# KiCad board CPU2908C.kicad_pcb (continued)
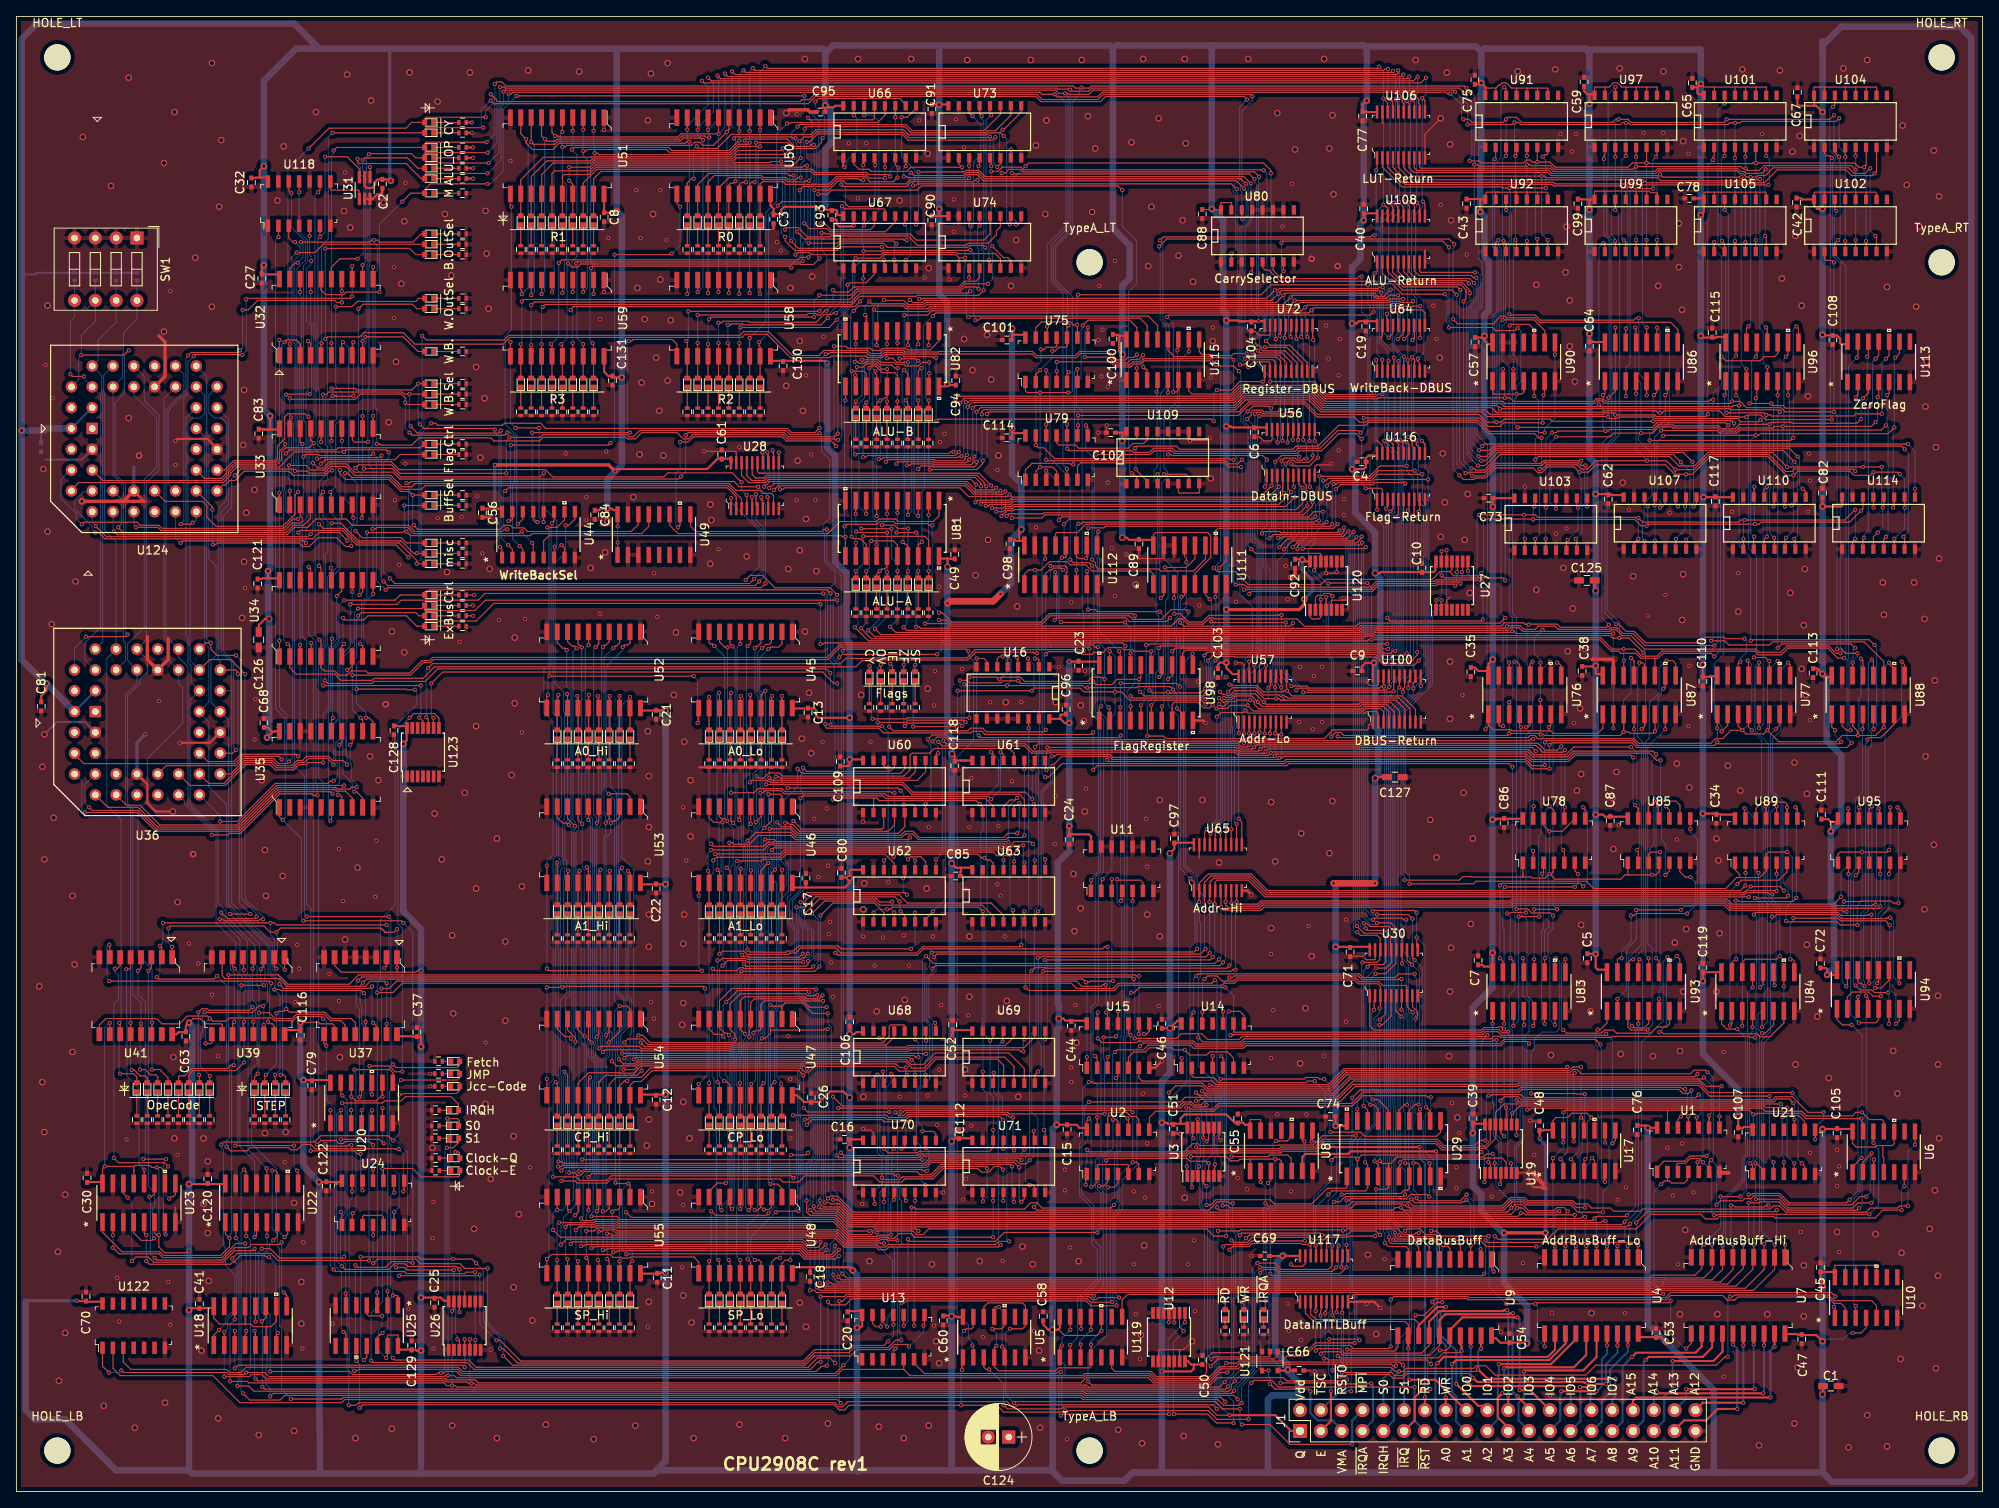
[diagram p0: board, top side]
## Routing (per net, layer and track width the routed paths; a pad name or vN(x,y) marks a point on that pad's centre or on a via; arc(x,y) is an arc through that point) (continued)
  Bottom w0.127: v1(212.08,101.78) 212.39,102.1 212.39,114.16 211.42,115.13 211.42,130.87 v1(211.17,131.12) ; v1(102.33,137.85) 102.46,137.98 v1(102.46,140.01) ; 213.97,101.33 v1(213.95,101.34) ; v1(107.57,137.1) 107.54,137.06 v1(107.54,133.02) 107.54,125.53 v1(107.41,125.4) ; v1(221.6,130.8) 221.6,131.15 221.41,131.34 221.41,162.56 v1(221.6,162.74) ; v1(116.73,132.23) 116.73,126.74 116.5,126.5 116.5,126.11 v1(116.31,125.93) ; v1(200.25,142.04) 200.63,141.66 v1(200.63,131.63)
/Executer/ALU_B4: length 213.5
  Top w0.127: 102.46,135.18 102.4,135.24 v1(102.4,136.2) ; v1(106.14,125.66) 106.4,125.91 112.06,125.91 112.19,125.79 115.65,125.79 115.8,125.93 115.8,126.26 v1(116.02,126.48) ; v1(180.89,152.71) 180.56,152.38 U92.2 ; D141.2 v1(106.27,133.02) ; v1(116.11,132.35) 116.66,132.9 148.65,132.9 149.72,133.97 158.07,133.97 159.53,132.52 180.71,132.52 v1(181.09,132.13) 209.16,132.13 209.29,132 214.99,132 v1(215.24,131.75) ; v1(106.27,136.96) 105.61,136.96 104.98,137.6 103.72,137.6 103.34,137.22 v1(102.59,137.22) ; v1(214.98,133.79) 214.98,135.06 ; v1(214.98,102.92) 215.49,103.43 223.95,103.43 v1(224.45,102.93) ; v1(223.89,92.89) 223.38,92.89 222.85,93.42 222.85,94.67
  Bottom w0.127: v1(102.4,136.2) 102.4,136.67 102.59,136.86 v1(102.59,137.22) ; v1(116.02,126.48) 116.11,126.58 v1(116.11,132.35) ; 215.24,131.63 214.98,131.37 v1(214.98,102.92) ; 215.24,131.63 215.24,132.13 214.98,132.39 v1(214.98,133.79) ; 215.24,131.63 v1(215.24,131.75) ; v1(180.89,152.71) 180.89,152.01 181.22,151.69 181.22,143.69 180.71,143.18 180.71,132.52 v1(181.09,132.13) ; v1(106.27,136.96) v1(106.27,133.02) 106.27,125.78 v1(106.14,125.66) ; v1(224.45,102.93) 224.2,102.68 224.2,101.86 223.7,101.36 223.7,93.43 223.89,93.25 v1(223.89,92.89)
/Executer/ALU_B5: length 203.8
  Top w0.127: v1(193.71,152.33) 193.9,152.14 U99.2 ; 105.38,133.15 v1(105.44,133.15) ; 105.38,133.15 105.63,133.15 105.95,133.46 106.2,133.46 106.27,133.53 106.27,134.55 ; 105.38,133.15 105,132.77 D142.2 ; v1(115.36,126.32) 115.01,126.32 114.85,126.17 105.79,126.17 105.61,125.98 v1(105.25,125.98) ; v1(211.69,103.81) 211.82,103.94 226.17,103.94 v1(226.81,103.31) ; v1(210.28,132.52) 209.54,132.52 209.41,132.39 193.4,132.39 v1(193.15,132.64) 192.9,132.39 181.59,132.39 181.22,132.77 159.63,132.77 158.17,134.23 149.62,134.23 148.54,133.15 116.45,133.15 116.23,132.94 v1(115.88,132.94) ; 226.66,94.42 226.67,94.41 v1(226.67,93.02) ; 209.9,134.93 v1(209.9,133.79)
  Bottom w0.127: v1(105.44,133.15) 105.44,126.17 v1(105.25,125.98) ; v1(226.67,93.02) 227.06,93.41 227.06,103.06 v1(226.81,103.31) ; v1(193.71,152.33) 193.15,151.77 v1(193.15,132.64) ; v1(211.69,103.81) 211.69,113.97 210.28,115.39 v1(210.28,132.52) 210.28,133.41 v1(209.9,133.79) ; v1(115.36,126.32) 115.36,126.48 115.63,126.75 115.63,132.69 v1(115.88,132.94)
/Executer/ALU_B6: length 206.4
  Top w0.127: v1(103.35,126.23) 103.7,126.23 103.89,126.42 114.59,126.42 v1(115.02,126.85) ; 224.12,98.99 224.14,99 v1(224.14,101.15) ; U96.15 v1(209.9,138.61) ; D143.2 v1(103.73,132.9) ; v1(115.16,132.84) 115.73,133.41 148.44,133.41 149.51,134.48 158.28,134.48 159.74,133.02 181.47,133.02 181.72,132.77 192.63,132.77 192.94,133.08 193.59,133.08 193.9,132.77 209.15,132.77 v1(209.41,133.02) 210.41,133.02 211.17,132.26 215.38,132.26 215.89,131.75 v1(221.85,131.75) ; v1(104.11,137.09) 104.36,137.34 104.88,137.34 105.69,136.52 107.22,136.52 107.54,136.2 107.54,135.69 ; 220.7,151.19 220.7,150.44 220.91,150.22 221.6,150.22 v1(221.85,149.97) ; v1(222.24,102.8) 222.76,102.8 223.27,102.29 v1(224.71,102.29)
  Bottom w0.127: v1(224.14,101.15) 224.14,101.37 224.71,101.94 v1(224.71,102.29) ; v1(115.02,126.85) 115.16,126.98 v1(115.16,132.84) ; v1(221.85,149.97) v1(221.85,131.75) 222.24,131.37 v1(222.24,102.8) ; v1(104.11,137.09) 104.11,133.28 v1(103.73,132.9) 103.35,132.52 v1(103.35,126.23) ; v1(209.9,138.61) 209.41,138.12 v1(209.41,133.02)
/Executer/ALU_B7: length 226.5
  Top w0.127: 227.94,98.99 227.94,101.29 225.54,103.69 214.35,103.69 213.97,103.31 209.01,103.31 208.5,103.81 v1(206.85,103.81) ; v1(114.65,133.28) 115.03,133.66 148.33,133.66 149.41,134.73 158.38,134.73 159.77,133.35 166.04,133.35 166.16,133.46 v1(181.66,133.46) 182.3,133.46 182.74,133.02 192.52,133.02 192.84,133.34 193.7,133.34 194.01,133.02 206.57,133.02 206.75,133.21 v1(207.11,133.21) ; 111.35,134.93 111.41,134.99 v1(111.41,136.45) ; v1(102.39,126.55) 102.52,126.67 113.84,126.67 114.04,126.88 v1(114.39,126.88) ; 207.23,151.44 v1(207.23,152.45) ; v1(208.14,138.49) 208.64,137.98 212.84,137.98 213.35,138.49 214.62,138.49 215,138.87 215,140.01 ; D144.2 v1(102.46,133.02) ; v1(111.41,137.79) 110.54,137.79 110.09,137.35 108.54,137.35 108.36,137.54 107.37,137.54 107.12,137.78 105.51,137.78 105.19,138.1 v1(103.24,138.1) ; v1(181.45,136.96) U90.2
  Bottom w0.127: v1(181.66,133.46) 181.66,135.21 181.45,135.42 v1(181.45,136.96) ; v1(102.39,126.55) 102.2,126.55 102.2,132.77 v1(102.46,133.02) 103.24,133.8 v1(103.24,138.1) ; v1(114.39,126.88) 114.65,127.13 v1(114.65,133.28) ; v1(206.85,103.81) 207.11,104.07 v1(207.11,133.21) 207.11,134.06 208.14,135.09 v1(208.14,138.49) 208.14,150.68 207.11,151.71 207.11,152.33 v1(207.23,152.45) ; v1(111.41,136.45) v1(111.41,137.79)
/Executer/ALU_CY0: length 164.5
  Top w0.127: 49.75,167.06 48.25,167.06 47.55,166.36 38.15,166.36 v1(35.67,163.88) ; U80.14 149.58,155.32 v1(149.65,155.25) ; v1(57.9,170.49) 58.78,169.6 95.65,169.6 95.88,169.84 96.77,169.84 97.42,170.49 124.56,170.49 125.19,169.85 132.03,169.85 132.66,170.48 150.61,170.48 v1(150.86,170.24) ; D1.2 49.84,167.51 50.02,167.69 v1(57.26,167.69) ; U32.2 v1(33.37,140.03)
  Bottom w0.127: v1(57.9,170.49) 57.9,170.38 58.34,169.94 58.34,169.52 57.26,168.44 v1(57.26,167.69) ; 149.58,155.25 v1(149.65,155.25) ; 149.58,155.25 149.58,155.12 ; 149.58,155.25 149.58,158.58 149.4,158.75 149.4,159.29 149.58,159.47 149.58,168.47 149.61,168.47 150.86,169.73 v1(150.86,170.24) ; v1(33.37,140.03) 33.37,140.51 33.13,140.74 33.13,161.34 v1(35.67,163.88)
/Executer/ALU_CY1: length 164.7
  Top w0.127: 49.88,165.92 49.88,166.3 50.01,166.43 v1(56.99,166.43) ; U80.2 v1(148.31,151.04) ; v1(150.23,169.85) 149.85,170.23 132.95,170.23 132.32,169.6 125.07,169.6 124.43,170.23 97.52,170.23 96.64,169.35 58.27,169.35 v1(57.9,169.73) ; 37.18,138.65 37.18,140.05 v1(37.25,140.12) ; v1(38.58,165.79) 49.75,165.79
  Bottom w0.127: v1(148.31,151.04) 148.83,151.57 148.83,158.29 148.52,158.6 148.52,159.25 149.32,160.06 149.32,168.95 v1(150.23,169.85) ; v1(37.25,140.12) 37.25,152 38.07,152.82 38.07,161.96 38.13,162.02 38.13,165.34 v1(38.58,165.79) ; v1(56.99,166.43) 56.74,166.67 56.74,168.57 v1(57.9,169.73)
/Executer/ALU_L0: length 71.1
  Top w0.127: 183.12,159.06 182.99,159.06 ; 183.12,159.06 v1(182.23,159.06) 181.47,159.06 181.34,159.19 169.15,159.19 166.73,161.6 U106.2 ; 183.12,159.06 v1(186.68,159.06) ; v1(198.03,143.18) 197.68,143.18 197.42,142.93 186.02,142.93 185.38,143.56 182.34,143.56 v1(182.23,143.67) ; v1(186.29,162.87) 186.54,163.12 186.8,163.12 186.93,163.25 186.93,164.01 ; 198.98,135.49 198.98,133.8 v1(199,133.79)
  Bottom w0.127: v1(199,133.79) 199,135.44 198.04,136.39 198.04,142.82 198.03,142.83 v1(198.03,143.18) ; v1(186.29,162.87) 186.68,162.49 v1(186.68,159.06) ; v1(182.23,143.67) 182.23,152.13 182.47,152.37 182.47,156.12 182.36,156.23 182.36,158.58 182.23,158.71 v1(182.23,159.06)
/Executer/ALU_L1: length 67.8
  Top w0.127: U106.3 167.38,161.59 169.47,159.5 187.44,159.5 187.62,159.31 195.82,159.31 196.07,159.06 196.59,159.06 196.85,159.31 v1(197.2,159.31) 197.51,159 v1(199.74,159) ; v1(200.12,162.87) 200.25,163 200.25,164.01 ; U86.3 196.44,133.68 v1(196.46,133.66)
  Bottom w0.127: v1(196.46,133.66) 196.46,137.09 196.96,137.6 196.96,158.72 197.2,158.96 v1(197.2,159.31) ; v1(199.74,159) 199.74,162.49 v1(200.12,162.87)
/Executer/ALU_L2: length 72.4
  Top w0.127: v1(196.46,141.91) 196.44,141.9 U86.14 ; v1(213.58,163) U101.7 ; U106.4 168.03,161.57 169.85,159.75 187.63,159.75 187.81,159.57 196.09,159.57 196.09,159.57 v1(196.44,159.57) 196.79,159.57 196.98,159.75 197.41,159.75 197.73,159.44 v1(213.84,159.44)
  Bottom w0.127: v1(196.44,159.57) 196.69,159.32 196.69,142.15 v1(196.46,141.91) ; v1(213.58,163) 213.97,162.62 213.97,159.57 v1(213.84,159.44)
/Executer/ALU_L3: length 86.9
  Top w0.127: U106.5 168.68,161.56 170.17,160.07 197.93,160.07 198.12,159.88 v1(198.47,159.88) 198.82,159.88 199.01,159.69 213.35,159.69 214.93,161.28 223.32,161.28 224.01,160.58 226.55,160.58 v1(226.81,160.84) 227.05,161.07 U104.7 227.05,162.38 227.06,162.36 227.06,162.71 ; 198.98,139.63 199,139.64 v1(199,142.04)
  Bottom w0.127: v1(199,142.04) 198.47,142.56 v1(198.47,159.88)
/Executer/ALU_L4: length 79.7
  Top w0.127: v1(186.91,152.71) 186.91,151.57 ; v1(212.82,160.14) 212.47,160.14 212.27,159.95 200.74,159.95 200.37,160.32 186.72,160.32 186.53,160.51 v1(186.18,160.51) 170.37,160.51 169.33,161.54 U106.6 ; 213.71,135.49 v1(213.71,137.22)
  Bottom w0.127: v1(186.18,160.51) 186.18,153.45 v1(186.91,152.71) ; v1(212.82,160.14) 212.82,141.91 213.22,141.52 213.22,137.71 v1(213.71,137.22)
/Executer/ALU_L5: length 76.7
  Top w0.127: v1(210.54,160.39) 200.95,160.39 v1(200.63,160.71) 200.5,160.58 187.31,160.58 186.92,160.96 170.55,160.96 169.98,161.53 U106.7 ; U96.3 v1(211.17,136.96) ; v1(200.25,152.71) 200.25,151.69
  Bottom w0.127: v1(210.54,160.39) 210.54,137.6 v1(211.17,136.96) ; v1(200.63,160.71) 200.26,160.34 200.26,152.72 v1(200.25,152.71)
/Executer/ALU_L6: length 89.5
  Top w0.127: U106.8 170.63,161.51 170.93,161.22 187.02,161.22 187.4,160.84 197.58,160.84 200.11,160.84 200.42,161.15 210.01,161.15 210.33,160.83 210.73,160.83 211.16,160.4 v1(211.68,160.4) 212.43,160.4 212.61,160.58 213.47,160.58 214.42,161.53 223.61,161.53 224.29,160.84 224.51,160.84 224.52,160.84 225.65,160.84 v1(226.28,161.47) ; v1(211.43,142.17) 211.17,141.91 U96.14 ; U102.7 227.05,153.09 v1(226.92,153.22)
  Bottom w0.127: v1(226.28,161.47) 226.28,153.85 v1(226.92,153.22) ; v1(211.68,160.4) 211.68,142.42 v1(211.43,142.17)
/Executer/ALU_L7: length 68.9
  Top w0.127: v1(213.46,153.22) 213.58,153.09 213.58,151.44 ; 213.71,141.56 213.71,140.39 ; v1(213.52,161.34) 213.02,160.84 211.09,160.84 210.85,161.08 210.43,161.08 210.11,161.4 200.31,161.4 200,161.09 197.51,161.09 197.51,161.09 187.59,161.09 187.21,161.47 171.44,161.47 171.28,161.63 U106.9 ; 213.71,140.21 213.71,141.91 v1(213.58,142.04)
  Bottom w0.127: v1(213.58,142.04) 213.08,142.55 213.08,152.84 v1(213.46,153.22) 213.46,159.17 213.27,159.35 213.27,161.1 v1(213.52,161.34)
/Executer/ALU_M: length 167.4
  Top w0.127: v1(134.99,158.81) 134.48,159.31 110.48,159.31 109.97,158.81 99.52,158.81 99.01,158.3 v1(97.88,158.3) ; v1(136.13,124.26) 136.26,124.26 136.75,123.77 U109.2 ; v1(61.06,170.3) v1(96.18,170.3) ; v1(47.1,157.41) 48.12,158.42 D7.2 ; v1(57.52,159.57) 50.53,159.57 49.88,158.92 49.88,158.55 ; 37.18,147.38 37.18,146.63 37.76,146.05 39.93,146.05 40.25,146.36 v1(44.31,146.36)
  Bottom w0.127: v1(96.18,170.3) 96.18,169 97.95,167.24 97.95,158.72 97.88,158.65 v1(97.88,158.3) ; v1(57.52,159.57) 57.87,159.57 59.42,161.12 59.42,168.67 v1(61.06,170.3) ; v1(136.13,124.26) 135.88,124.51 135.88,127.33 135.75,127.46 135.75,146.38 136.75,147.38 136.75,152.6 134.99,154.36 v1(134.99,158.81) ; v1(47.1,157.41) 44.31,154.61 v1(44.31,146.36)
/Executer/ALU_O0: length 60.1
  Top w0.127: U108.2 166.73,148.65 167.46,147.92 167.92,147.92 169.23,146.61 175.24,146.61 v1(175.81,146.04) ; U103.7 190.47,116.13 v1(190.34,116.26) ; v1(190.99,125.78) 186.43,125.78 186.11,125.47 180.37,125.47 179.28,124.38 177.37,124.38 177.25,124.26 v1(176.9,124.26)
  Bottom w0.127: v1(190.99,125.78) 190.99,124.9 191.43,124.46 191.43,120.54 191.12,120.23 191.12,117.04 v1(190.34,116.26) ; v1(175.81,146.04) 175.81,125.34 v1(176.9,124.26)
/Executer/ALU_O1: length 55
  Top w0.127: v1(177.66,123.94) 179.2,123.94 180.48,125.22 186.22,125.22 186.53,125.53 190.61,125.53 190.93,125.21 v1(191.51,125.21) ; U108.3 167.38,148.89 169.28,146.99 175.88,146.99 v1(176.26,146.61) ; v1(191.74,120.2) 191.74,121.09
  Bottom w0.127: v1(177.66,123.94) 177.41,124.19 177.41,124.4 176.14,125.67 176.14,145.62 176.26,145.74 v1(176.26,146.61) ; v1(191.74,120.2) 191.74,124.98 v1(191.51,125.21)
/Executer/ALU_O2: length 71.6
  Top w0.127: 176.93,146.65 176.34,147.25 169.53,147.25 167.99,148.79 167.99,149.79 ; 176.93,146.65 176.93,146.3 ; 176.93,146.65 176.93,145.51 v1(176.64,145.22) ; v1(203.81,116.13) U107.7 ; v1(203.19,125.59) 202.23,126.55 181.09,126.55 179.18,124.63 178.15,124.63 177.96,124.83 v1(177.6,124.83)
  Bottom w0.127: v1(176.64,145.22) 176.64,125.79 v1(177.6,124.83) ; v1(203.19,125.59) 204.26,124.52 204.26,116.59 v1(203.81,116.13)
/Executer/ALU_O3: length 67.5
  Top w0.127: v1(204.58,125.66) 203.44,126.8 180.83,126.8 179.22,125.19 v1(178.4,125.19) ; v1(177.42,146.23) 177.42,146.59 176.5,147.5 170.04,147.5 168.68,148.86 U108.5 ; v1(204.71,120.2) 205.07,120.56 205.07,121.72
  Bottom w0.127: v1(204.71,120.2) 204.71,125.53 v1(204.58,125.66) ; v1(177.42,146.23) 177.42,145.35 177.02,144.96 177.02,126.56 v1(178.4,125.19)
/Executer/ALU_O4: length 83.2
  Top w0.127: v1(217.01,116.26) 217.14,116.13 U110.7 ; v1(177.28,147.43) 176.95,147.76 170.42,147.76 169.33,148.84 U108.6 ; v1(178.8,125.78) 179.31,125.78 180.58,127.06 215.63,127.06 v1(217.03,125.66)
  Bottom w0.127: v1(178.8,125.78) 178.33,125.78 177.28,126.84 177.28,144.58 177.9,145.2 177.9,146.81 v1(177.28,147.43) ; v1(217.03,125.66) 217.41,125.28 217.41,116.66 v1(217.01,116.26)
/Executer/ALU_O5: length 76.8
  Top w0.127: U108.7 169.98,148.83 170.8,148.01 177.38,148.01 v1(177.91,147.48) ; v1(218.04,122.36) 218.09,122.36 218.41,122.04 U110.9 ; v1(178.47,126.32) 179.46,126.32 180.45,127.31 216.39,127.31 v1(217.41,126.29)
  Bottom w0.127: v1(178.47,126.32) 177.53,127.25 177.53,144.48 178.16,145.11 178.16,147.23 v1(177.91,147.48) ; v1(217.41,126.29) 217.66,126.04 217.66,122.74 v1(218.04,122.36)
/Executer/ALU_O6: length 95.7
  Top w0.127: v1(178.2,148.11) 177.85,148.11 177.57,148.39 171.19,148.39 170.63,148.94 U108.8 ; v1(230.35,116.51) 230.47,116.39 U114.7 ; v1(230.49,127.18) 230.11,127.56 180.35,127.56 179.84,127.06 v1(178.55,127.06)
  Bottom w0.127: v1(178.2,148.11) 178.42,147.89 178.42,144.83 177.79,144.2 177.79,127.82 v1(178.55,127.06) ; v1(230.49,127.18) 230.93,126.74 230.93,117.1 v1(230.35,116.51)
/Executer/ALU_O7: length 89.1
  Top w0.127: v1(178.04,148.77) 171.44,148.77 171.28,148.93 U108.9 ; v1(231.75,122.36) U114.9 ; v1(178.93,127.56) 179.18,127.82 230.52,127.82 v1(230.87,127.82)
  Bottom w0.127: v1(230.87,127.82) 231.75,126.94 v1(231.75,122.36) ; v1(178.93,127.56) 178.04,128.45 178.04,144.07 178.68,144.71 178.68,148.49 178.39,148.77 v1(178.04,148.77)
/Executer/ALU_OP0: length 341
  Top w0.127: 211.98,162.11 v1(212.33,162.11) ; 211.98,162.11 211.91,162.04 199.42,162.04 199.33,162.12 v1(198.98,162.12) ; 211.98,162.11 211.92,162.05 ; v1(212.33,162.11) 224.4,162.11 224.9,161.6 v1(225.54,161.6) 225.79,161.85 225.79,164.01 ; v1(212.33,162.11) 212.31,162.12 U101.6 ; 123.16,135.18 123.16,134.31 123.37,134.1 v1(124.95,134.1) v1(128.38,134.1) ; v1(130.02,171.31) 130.08,171.25 130.27,171.25 ; v1(185.64,162.23) 185.03,162.23 184.78,162.48 184.3,162.48 183.93,162.11 178.8,162.11 178.55,162.36 v1(177.39,162.36) ; v1(185.64,162.23) 185.64,163.74 ; v1(185.64,162.23) 187.19,162.23 187.82,161.6 196.71,161.6 197.23,162.12 v1(198.98,162.12) ; 130.27,171.25 129.26,171.25 129,171.5 59.76,171.5 59.26,172.01 58.64,172.01 v1(58.39,171.76) ; 130.27,171.25 130.93,171.25 131.18,171.5 176.75,171.5 v1(177.01,171.25) ; v1(57.39,164.65) 50.02,164.65 49.84,164.46 D3.2 ; 49.75,164.01 39.1,164.01 v1(38.72,163.63) ; 126.97,123.88 126.97,124.52 126.46,125.02 v1(124.95,125.02) 124.43,124.5 U79.2 ; 225.78,163.88 225.54,163.65 ; v1(225.78,152.58) 225.78,151.44 ; U32.6 v1(38.45,140.14) ; v1(198.98,162.12) U97.6 ; U92.6 v1(185.64,152.84) ; v1(198.98,152.71) 198.98,151.44 ; v1(212.31,152.71) 212.31,151.19
  Bottom w0.127: v1(198.98,152.71) v1(198.98,162.12) ; v1(212.33,162.11) 212.31,162.09 v1(212.31,152.71) ; v1(177.39,162.36) 177.39,162.71 177.66,162.98 177.66,169.47 177.01,170.12 v1(177.01,171.25) ; v1(225.78,152.58) 225.78,160.47 225.54,160.71 v1(225.54,161.6) ; v1(130.02,171.31) 129.77,171.06 129.77,170.48 128.88,169.58 128.88,153.87 126.86,151.86 126.86,147.85 128.89,145.81 128.89,136.94 128.89,136.94 128.89,134.25 128.74,134.1 v1(128.38,134.1) ; v1(185.64,162.23) 185.39,161.98 185.39,153.09 v1(185.64,152.84) ; v1(58.39,171.76) 58.39,170.25 58.59,170.04 58.59,169.41 58.39,169.21 58.39,165.65 v1(57.39,164.65) ; v1(38.45,140.14) 38.47,140.15 38.47,163.02 38.72,163.28 v1(38.72,163.63) ; v1(124.95,125.02) v1(124.95,134.1)
/Executer/ALU_OP1: length 411.4
  Top w0.127: U105.5 v1(211.04,152.45) ; U91.5 v1(184.37,163) ; 128.62,171.12 127.09,171.12 126.97,171.25 59.65,171.25 59.53,171.38 v1(59.03,171.38) ; 128.62,171.12 128.88,170.87 130.91,170.87 131.29,171.25 176.13,171.25 176.63,170.74 v1(177.53,170.74) ; 128.62,171.12 v1(128.62,171.06) ; v1(197.71,162.87) U97.5 ; U32.9 42.26,140.37 v1(42.25,140.38) ; 193.66,94.54 193.66,93.15 193.03,92.51 187.59,92.51 187.27,92.83 182.56,92.83 182.44,92.95 180.26,92.95 179.69,93.52 179.69,94.42 ; v1(57.52,163.38) 49.9,163.38 49.75,163.23 49.75,162.87 ; v1(128.43,142.3) 128.24,142.11 128.24,140.68 ; v1(211.04,162.87) U101.5 ; U76.1 179.68,93.38 v1(179.31,93.02) ; v1(224.51,152.71) U102.5 ; v1(128.43,136.58) 128.24,136.39 128.24,135.28 ; v1(124.95,136.83) 124.43,136.31 U75.2 ; v1(43.02,163.18) 43.09,163.25 48.23,163.25 48.74,162.74 49.75,162.74 ; 128.26,140.64 128.26,139.75 128.13,139.63 127.25,139.63 126.81,139.19 v1(126.45,139.19) ; v1(177.95,161.91) 178.31,161.91 178.49,161.73 184.19,161.73 v1(184.37,161.91) 184.73,161.91 184.85,161.79 187.25,161.79 187.69,161.34 197.37,161.34 v1(197.71,161.68) 210.5,161.68 210.72,161.46 v1(211.07,161.46) 211.32,161.21 212.74,161.21 213.31,161.79 224.01,161.79 v1(224.51,161.29) ; v1(184.37,152.58) 184.37,151.44 ; v1(224.51,163) U104.5 ; 197.71,151.44 v1(197.71,152.71)
  Bottom w0.127: v1(177.53,170.74) 177.95,170.32 177.95,161.94 ; v1(126.45,139.19) 126.45,138.33 v1(124.95,136.83) ; v1(43.02,163.18) 42.71,162.86 42.71,161.17 42.9,160.98 42.9,149.77 42.78,149.66 42.78,141.74 42.16,141.11 42.16,140.47 v1(42.25,140.38) ; 197.71,161.68 v1(197.71,161.68) 197.71,161.68 ; 197.71,161.68 v1(197.71,152.71) ; 197.71,161.68 v1(197.71,162.87) ; 177.95,161.94 177.95,155.84 178.52,155.28 178.52,150.4 178.93,149.99 178.93,144.6 178.9,144.57 178.9,144.55 178.29,143.95 178.29,128.96 179.55,127.7 179.55,112.57 179.5,112.52 179.5,93.57 179.31,93.37 v1(179.31,93.02) ; 177.95,161.94 v1(177.95,161.91) ; v1(211.04,162.87) 211.04,161.49 v1(211.07,161.46) 211.04,161.43 v1(211.04,152.45) ; v1(59.03,171.38) 59.03,169.48 58.66,169.12 58.66,164.52 v1(57.52,163.38) ; v1(128.43,136.58) 128.18,136.83 128.18,142.05 v1(128.43,142.3) 128.43,142.65 128.31,142.76 128.31,146.03 126.59,147.76 126.59,151.95 128.62,153.98 v1(128.62,171.06) ; v1(224.51,152.71) v1(224.51,161.29) v1(224.51,163) ; v1(184.37,163) v1(184.37,161.91) v1(184.37,152.58)
/Executer/ALU_OP2: length 430.1
  Top w0.127: v1(59.47,170.82) 59.65,171 126.86,171 127.24,170.62 v1(127.99,170.62) ; v1(209.77,152.58) U105.4 ; 49.75,161.47 48.99,161.47 47.73,162.74 42.51,162.74 v1(42.26,162.49) ; U99.4 196.44,152.47 v1(196.2,152.71) ; v1(223.24,152.58) U102.4 ; v1(57.64,162.11) 50.02,162.11 49.84,161.92 D5.2 ; v1(127.99,170.62) 128.11,170.62 ; v1(127.99,170.62) 128.26,170.62 128.39,170.49 130.91,170.49 131.41,171 175.42,171 v1(175.61,170.81) ; U91.4 183.1,163.11 v1(182.98,162.98) ; v1(187.55,70.29) 187.23,70.61 184.96,70.61 184.46,71.11 v1(183.1,71.11) ; 196.46,164.12 v1(196.46,163) ; U79.5 v1(128.24,124.78) ; v1(222.49,167.57) 222.11,167.19 210.54,167.19 210.36,167 v1(209.79,167) 209.1,167 208.9,166.81 197,166.81 196.81,167 v1(196.46,167) 196.4,167.06 196.07,167.06 195.82,166.81 183.63,166.81 183.37,167.06 v1(182.87,167.06) 182.61,166.8 v1(177.15,166.8) ; U32.12 v1(42.26,149.66) ; v1(187.8,56.95) 187.8,58.22 ; 183.1,152.33 183.1,151.19 ; v1(223.24,162.85) 223.24,164 ; v1(182.98,152.71) 183.1,152.58 U92.4 ; U101.4 v1(209.77,162.74)
  Bottom w0.127: 182.98,162.76 182.87,162.87 v1(182.87,167.06) ; 182.98,162.76 v1(182.98,162.98) ; 182.98,162.76 v1(182.98,152.71) 182.73,152.46 182.73,138.62 183.19,138.16 183.19,135.76 182.61,135.18 182.61,107.12 183.1,106.62 183.1,101.81 183.31,101.61 183.31,101.06 183.1,100.86 v1(183.1,71.11) ; v1(127.99,170.62) 128.37,170.24 128.37,154.22 126.34,152.19 126.34,147.63 127.75,146.22 127.75,125.28 v1(128.24,124.78) ; v1(42.26,162.49) 42.26,161.22 42.64,160.84 42.64,150.04 v1(42.26,149.66) ; v1(222.49,167.57) 222.49,164.01 223.24,163.27 223.24,162.98 ; v1(187.8,56.95) 187.18,57.57 187.18,65.14 186.93,65.39 186.93,68.13 187.55,68.75 v1(187.55,70.29) ; v1(196.46,167) v1(196.46,163) 195.95,162.49 195.95,152.96 v1(196.2,152.71) ; v1(175.61,170.81) 177.15,169.27 v1(177.15,166.8) ; 223.24,162.98 v1(223.24,162.85) ; 223.24,162.98 v1(223.24,152.58) ; v1(59.47,170.82) 59.47,169.56 58.91,169.01 58.91,163.38 v1(57.64,162.11) ; v1(209.79,167) 209.77,166.98 v1(209.77,162.74) v1(209.77,152.58)
/Executer/ALU_OP3: length 381.2
  Top w0.127: v1(181.52,152.58) 181.83,152.27 181.83,151.19 ; 38.45,148.39 38.45,149.39 39.48,150.42 v1(41.64,150.42) ; v1(195.12,152.57) 195.17,152.52 U99.3 ; v1(222.49,162.87) 221.97,163.39 U104.3 ; U105.3 208.5,152.26 v1(208.18,152.58) ; 125.7,140.68 125.83,140.8 v1(125.83,142.17) ; 186.55,140.26 186.55,141.66 185.23,142.98 v1(181.4,142.98) ; v1(57.52,160.84) 50.02,160.84 49.88,160.7 49.88,160.46 ; v1(176.64,167.44) 177.28,167.44 177.66,167.06 181.45,167.06 v1(181.83,167.44) 182.08,167.69 183.1,167.69 183.73,167.06 194.83,167.06 195.21,167.44 v1(195.57,167.44) 196.73,167.44 197.11,167.06 208.39,167.06 v1(208.77,167.44) 221.35,167.44 v1(221.85,167.95) ; U97.3 v1(195.17,162.87) ; v1(41.64,162.62) 41.64,162.26 41.86,162.05 47.57,162.05 49.41,160.2 D6.2 ; 125.95,170.49 v1(126.72,170.49) ; 125.95,170.49 125.19,170.49 124.94,170.74 60.62,170.74 60.43,170.56 v1(60.08,170.56) ; 125.95,170.49 v1(126.72,170.49) ; v1(126.72,170.49) 127.03,170.18 131.99,170.18 132.56,170.74 174.49,170.74 174.67,170.56 v1(175.03,170.56) ; 173.32,107.75 v1(173.32,108.76) ; v1(181.72,111.18) 181.41,111.49 174.3,111.49 v1(173.98,111.81) ; v1(222.36,152.71) 221.97,152.32 U102.3 ; v1(173.96,114.74) 173.96,113.72 ; 208.5,164.14 v1(208.5,163) ; U91.3 v1(181.83,163)
  Bottom w0.127: v1(125.83,142.17) 125.83,152.16 128.11,154.45 128.11,169.47 127.1,170.49 v1(126.72,170.49) ; v1(195.12,152.57) 195.12,152.93 194.72,153.32 194.72,156.6 195.17,157.05 v1(195.17,162.87) 195.17,167.04 v1(195.57,167.44) ; v1(181.72,111.18) 181.72,132.54 181.01,133.25 181.01,142.59 v1(181.4,142.98) 181.52,143.1 v1(181.52,152.58) 181.52,152.94 181.39,153.06 181.39,162.56 v1(181.83,163) v1(181.83,167.44) ; v1(222.36,152.71) 222.61,152.96 222.61,162.24 222.49,162.36 v1(222.49,162.87) 221.85,163.5 v1(221.85,167.95) ; 208.12,156.9 208.06,156.84 208.06,152.7 v1(208.18,152.58) ; 208.12,156.9 208.12,156.65 ; 208.12,156.9 208.12,162.62 v1(208.5,163) 208.5,167.17 v1(208.77,167.44) ; v1(41.64,162.62) 41.64,161.98 42.01,161.62 42.01,160.73 42.39,160.35 42.39,151.17 v1(41.64,150.42) ; v1(57.52,160.84) 59.17,162.49 59.17,168.91 60.08,169.82 v1(60.08,170.56) ; v1(173.96,114.74) 173.96,111.83 v1(173.98,111.81) 173.98,109.41 v1(173.32,108.76) ; 175.05,170.56 176.39,169.21 176.39,167.69 v1(176.64,167.44)
/Executer/BR_SEL0: length 214.4
  Top w0.127: 33.37,148.65 33.37,149.26 34.02,149.91 34.31,149.91 ; U66.14 v1(103.47,167.95) ; D8.2 49.41,153.47 48.4,152.45 44.31,152.45 44.05,152.71 v1(43.67,152.71) 43.32,152.71 43.07,152.45 v1(34.72,152.45) ; v1(117.08,142.93) 117.43,142.93 117.69,143.18 137.15,143.18 138.03,142.3 138.03,140.9 ; 116.3,168.97 116.3,168.22 v1(116.7,167.82) ; 116.3,155.5 116.3,154.61 v1(116.43,154.49) ; U67.14 v1(103.47,154.49) ; v1(100.32,128.32) 99.96,128.32 99.84,128.45 94.09,128.45 93.58,128.96 82.54,128.96 82.03,128.45 81.39,128.45 80.63,129.21 76.31,129.21 75.55,128.45 74.65,128.45 74.45,128.65 64.32,128.65 63.87,128.2 58.28,128.2 57.9,128.57 49.14,128.57 48.69,128.13 48.69,128.13 48.25,127.69 44.48,127.69 44.34,127.83 v1(43.99,127.83) ; v1(116.43,151.5) 116.08,151.5 116.02,151.44 105.66,151.44 105.59,151.37 v1(103.42,151.37)
  Bottom w0.127: v1(34.72,152.45) 34.97,152.21 34.97,150.58 v1(34.34,149.95) ; v1(100.32,128.32) 100.74,128.75 100.74,129 ; 116.43,153.98 116.82,154.37 116.82,162.23 117.72,163.12 117.72,166.81 v1(116.7,167.82) ; 116.43,153.98 v1(116.43,154.49) ; 116.43,153.98 v1(116.43,151.5) 116.87,151.06 116.87,143.49 117.08,143.28 v1(117.08,142.93) ; v1(43.99,127.83) 43.99,132.08 43.8,132.26 43.8,148.77 44.05,149.03 44.05,151.97 43.67,152.36 v1(43.67,152.71) ; 100.74,129 100.74,128.92 ; 100.74,129 100.74,142.5 101.19,142.95 101.19,143.88 102.33,145.03 102.33,149.41 103.42,150.5 v1(103.42,151.37) 103.42,152.01 103.24,152.2 103.24,154.25 v1(103.47,154.49) 105.26,156.27 105.26,167.19 104.51,167.95 v1(103.47,167.95)
